# KiCad board jetson-orin-baseboard.kicad_pcb (continued)
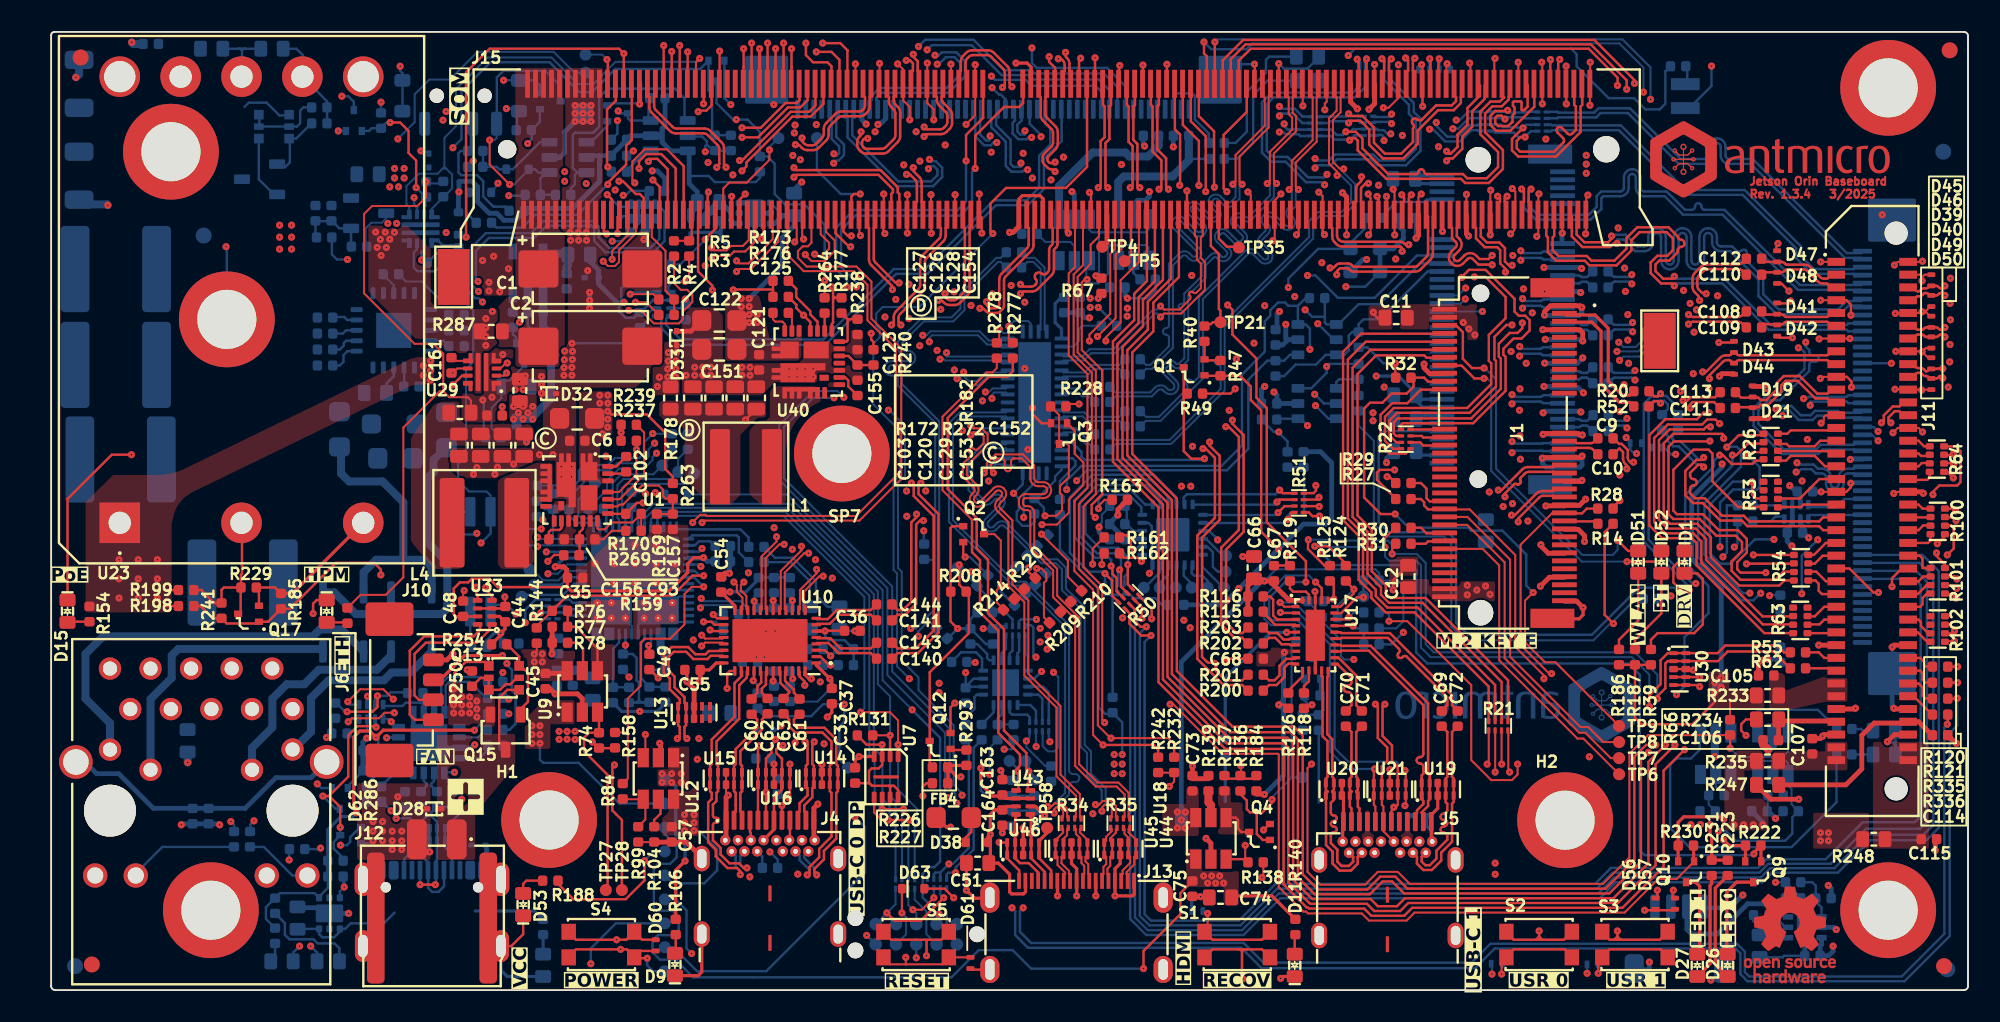
[diagram p0: board, top side]
## Routing (per net, layer and track width the routed paths; a pad name or vN(x,y) marks a point on that pad's centre or on a via; arc(x,y) is an arc through that point) (continued)
PCIE0_TX1_N: length 70.9
  Top w0.155: v1(58.14,42.69) 58.28,42.69 arc(58.34,42.68) 58.39,42.65 58.55,42.49 arc(58.65,42.42) 58.76,42.4 59.19,42.4 arc(59.3,42.42) 59.4,42.49 59.56,42.65 arc(59.63,42.75) 59.65,42.86 59.65,44.44 arc(59.68,44.58) 59.75,44.69 61.35,46.29 arc(61.46,46.45) 61.5,46.64 61.5,47.72 61.6,47.82
  In3.Cu w0.16: v1(99,41.22) 98.91,41.32 arc(98.86,41.35) 98.8,41.36 98.22,41.36 arc(98.09,41.34) 97.97,41.26 97.7,40.99 arc(97.63,40.88) 97.6,40.74 97.6,40.16 arc(97.56,39.96) 97.45,39.8 94.85,37.2 arc(94.78,37.09) 94.75,36.95 94.75,32.29 arc(94.78,32.15) 94.85,32.04 95.47,31.42 arc(95.58,31.26) 95.62,31.06 95.62,29.27 arc(95.58,29.07) 95.47,28.91 92.61,26.05 arc(92.45,25.94) 92.25,25.9 87.1,25.9 arc(86.9,25.94) 86.74,26.05 81.55,31.24 arc(81.44,31.4) 81.4,31.6 81.4,33.14 arc(81.37,33.28) 81.3,33.39 73.43,41.26 arc(73.32,41.33) 73.18,41.36 63.04,41.36 arc(62.84,41.4) 62.68,41.51 62.12,42.07 arc(62.01,42.14) 61.87,42.17 59.08,42.17 arc(58.88,42.21) 58.72,42.32 58.39,42.65 arc(58.34,42.68) 58.29,42.69 v1(58.14,42.69)
  Bottom w0.155: v1(99,41.22) 98.9,41.32 arc(98.85,41.36) 98.8,41.37 97.9,41.37 arc(97.84,41.36) 97.79,41.32 97.47,41
PCIE0_TX1_P: length 70.9
  Top w0.155: v1(58.56,43.11) 58.56,42.97 arc(58.57,42.91) 58.6,42.86 58.72,42.74 arc(58.77,42.71) 58.82,42.7 59.13,42.7 arc(59.18,42.71) 59.23,42.74 59.31,42.82 arc(59.34,42.87) 59.35,42.92 59.35,44.5 arc(59.39,44.7) 59.5,44.86 61.1,46.46 arc(61.17,46.57) 61.2,46.7 61.2,47.72 61.1,47.82
  In3.Cu w0.16: v1(58.56,43.11) 58.56,42.96 arc(58.57,42.91) 58.6,42.86 58.89,42.57 arc(59,42.5) 59.14,42.47 61.93,42.47 arc(62.13,42.43) 62.29,42.32 62.85,41.76 arc(62.96,41.69) 63.1,41.66 63.66,41.66 arc(63.84,41.73) 63.91,41.91 arc(63.98,42.09) 64.16,42.16 64.26,42.16 arc(64.44,42.09) 64.51,41.91 arc(64.58,41.73) 64.76,41.66 73.24,41.66 arc(73.44,41.62) 73.6,41.51 81.55,33.56 arc(81.66,33.4) 81.7,33.2 81.7,31.66 arc(81.73,31.52) 81.8,31.41 86.91,26.3 arc(87.02,26.23) 87.16,26.2 92.19,26.2 arc(92.33,26.23) 92.44,26.3 95.22,29.08 arc(95.29,29.19) 95.32,29.33 95.32,31 arc(95.29,31.14) 95.22,31.25 94.6,31.87 arc(94.49,32.03) 94.45,32.23 94.45,33.99 arc(94.4,34.11) 94.28,34.17 94.27,34.17 arc(94.15,34.22) 94.1,34.34 arc(94.15,34.46) 94.27,34.52 94.28,34.52 arc(94.4,34.57) 94.45,34.69 94.45,37.01 arc(94.49,37.21) 94.6,37.37 97.2,39.97 arc(97.27,40.08) 97.3,40.22 97.3,40.8 arc(97.34,41) 97.45,41.16 97.8,41.52 arc(97.97,41.62) 98.16,41.66 98.8,41.66 arc(98.86,41.67) 98.91,41.71 v1(99,41.8)
  Bottom w0.155: 97.47,42 97.77,41.7 arc(97.82,41.67) 97.87,41.66 98.8,41.66 arc(98.85,41.67) 98.9,41.7 v1(99,41.8)
PCIE0_TX2_N: length 74.6
  Top w0.155: 57.6,47.82 57.5,47.72 57.5,43.84 arc(57.46,43.65) 57.35,43.49 56.91,43.05 arc(56.75,42.94) 56.55,42.9 56.25,42.9 arc(56.05,42.94) 55.89,43.05 55.79,43.15 arc(55.74,43.18) 55.68,43.19 v1(55.54,43.19)
  In3.Cu w0.16: v1(99.15,38.2) 99.05,38.31 arc(99,38.34) 98.94,38.35 98.41,38.35 arc(98.27,38.32) 98.16,38.25 97.75,37.84 arc(97.68,37.73) 97.65,37.59 97.65,28.85 arc(97.61,28.65) 97.5,28.49 91.06,22.05 arc(90.9,21.94) 90.7,21.9 88,21.9 arc(87.8,21.94) 87.64,22.05 80,29.69 arc(79.89,29.85) 79.85,30.05 79.85,32.69 arc(79.82,32.83) 79.75,32.94 72.89,39.8 arc(72.78,39.87) 72.64,39.9 59.25,39.9 arc(59.05,39.94) 58.89,40.05 55.79,43.15 arc(55.74,43.18) 55.69,43.19 v1(55.54,43.19)
  Bottom w0.155: 97.47,38 97.78,38.31 arc(97.83,38.34) 97.88,38.35 98.94,38.35 arc(99,38.34) 99.05,38.31 v1(99.15,38.2)
PCIE0_TX2_P: length 74.6
  Top w0.155: v1(55.96,43.61) 55.96,43.47 arc(55.97,43.41) 56,43.36 56.06,43.3 arc(56.17,43.23) 56.31,43.2 56.49,43.2 arc(56.63,43.23) 56.74,43.3 57.1,43.66 arc(57.17,43.77) 57.2,43.9 57.2,47.72 57.1,47.82
  In3.Cu w0.16: v1(99.15,38.8) 99.05,38.69 arc(99,38.66) 98.94,38.65 98.35,38.65 arc(98.15,38.61) 97.99,38.5 97.5,38.01 arc(97.39,37.85) 97.35,37.65 97.35,28.91 arc(97.32,28.77) 97.25,28.66 90.89,22.3 arc(90.78,22.23) 90.64,22.2 88.06,22.2 arc(87.92,22.23) 87.81,22.3 86.47,23.65 arc(86.41,23.79) 86.47,23.93 86.64,24.11 arc(86.7,24.25) 86.64,24.39 arc(86.5,24.45) 86.36,24.39 86.18,24.21 arc(86.04,24.15) 85.9,24.21 80.25,29.86 arc(80.18,29.97) 80.15,30.11 80.15,32.75 arc(80.11,32.95) 80,33.11 73.06,40.05 arc(72.9,40.16) 72.7,40.2 59.31,40.2 arc(59.17,40.23) 59.06,40.3 56,43.36 arc(55.97,43.41) 55.96,43.46 v1(55.96,43.61)
  Bottom w0.155: v1(99.15,38.8) 99.05,38.69 arc(99,38.66) 98.94,38.65 97.88,38.65 arc(97.83,38.66) 97.78,38.69 97.47,39
PCIE0_TX3_N: length 81
  Top w0.155: 56.1,47.82 56,47.72 56,47.24 arc(55.96,47.05) 55.85,46.89 54.8,45.84 arc(54.73,45.73) 54.7,45.59 54.7,44.1 arc(54.66,43.9) 54.55,43.74 53.15,42.34 arc(53.08,42.23) 53.05,42.09 53.05,41.86 arc(53.06,41.8) 53.09,41.75 v1(53.19,41.65)
  In3.Cu w0.16: v1(98.65,35.2) 98.75,35.31 arc(98.8,35.34) 98.86,35.35 99.19,35.35 arc(99.33,35.32) 99.44,35.25 99.58,35.11 arc(99.64,34.97) 99.58,34.83 99.46,34.7 arc(99.4,34.56) 99.46,34.42 arc(99.6,34.36) 99.74,34.42 99.86,34.54 arc(100,34.6) 100.15,34.54 100.85,33.84 arc(100.92,33.73) 100.95,33.59 100.95,28.31 arc(100.92,28.17) 100.85,28.06 92.34,19.55 arc(92.23,19.48) 92.09,19.45 86.51,19.45 arc(86.37,19.48) 86.26,19.55 76.4,29.41 arc(76.33,29.52) 76.3,29.66 76.3,31.5 arc(76.26,31.7) 76.15,31.86 72.76,35.25 arc(72.6,35.36) 72.4,35.4 61.08,35.4 arc(60.89,35.48) 60.81,35.67 60.81,35.68 arc(60.73,35.87) 60.53,35.95 arc(60.34,35.87) 60.26,35.68 60.26,35.67 arc(60.18,35.48) 59.98,35.4 58.86,35.4 arc(58.72,35.43) 58.61,35.5 53.15,40.96 arc(53.08,41.07) 53.05,41.21 53.05,41.44 arc(53.06,41.5) 53.09,41.55 v1(53.19,41.65)
  Bottom w0.155: 97.48,35 97.79,35.31 arc(97.84,35.34) 97.9,35.35 98.44,35.35 arc(98.5,35.34) 98.55,35.31 v1(98.65,35.2)
PCIE0_TX3_P: length 81
  Top w0.155: 55.6,47.82 55.7,47.72 55.7,47.3 arc(55.67,47.17) 55.6,47.06 54.55,46.01 arc(54.44,45.85) 54.4,45.65 54.4,44.16 arc(54.37,44.02) 54.3,43.91 52.9,42.51 arc(52.79,42.35) 52.75,42.15 52.75,41.86 arc(52.74,41.8) 52.71,41.75 v1(52.61,41.65)
  In3.Cu w0.16: v1(52.61,41.65) 52.71,41.55 arc(52.74,41.5) 52.75,41.44 52.75,41.15 arc(52.79,40.95) 52.9,40.79 58.44,35.25 arc(58.6,35.14) 58.8,35.1 72.34,35.1 arc(72.48,35.07) 72.59,35 75.9,31.69 arc(75.97,31.58) 76,31.44 76,29.6 arc(76.04,29.4) 76.15,29.24 86.09,19.3 arc(86.25,19.19) 86.45,19.15 92.15,19.15 arc(92.35,19.19) 92.51,19.3 101.1,27.89 arc(101.21,28.05) 101.25,28.25 101.25,33.65 arc(101.21,33.85) 101.1,34.01 99.61,35.5 arc(99.45,35.61) 99.25,35.65 98.86,35.65 arc(98.8,35.66) 98.75,35.69 v1(98.65,35.8)
  Bottom w0.155: v1(98.65,35.8) 98.55,35.69 arc(98.5,35.66) 98.44,35.65 97.9,35.65 arc(97.84,35.66) 97.79,35.69 97.48,36
PCIE1_CLK_N: length 70.9
  Top w0.155: v1(46.59,52.94) 46.73,52.94 arc(46.79,52.93) 46.84,52.9 46.99,52.75 arc(47.15,52.64) 47.35,52.6 47.7,52.6 arc(47.9,52.64) 48.06,52.75 48.52,53.21 arc(48.63,53.37) 48.67,53.57 48.67,53.87 arc(48.7,54.01) 48.77,54.12 49.27,54.62 arc(49.38,54.69) 49.52,54.72 50.63,54.72 arc(50.83,54.76) 50.99,54.87 51.1,54.98 arc(51.21,55.14) 51.25,55.33 51.25,55.92 51.35,56.02 ; 94.75,30.85 94.12,30.85 94.02,30.95 93.41,30.95 arc(93.27,30.92) 93.16,30.85 91.84,29.53 v1(91.84,29.32)
  In3.Cu w0.16: v1(91.84,29.32) 91.63,29.32 91.21,28.9 arc(91.05,28.79) 90.85,28.75 87.95,28.75 arc(87.75,28.79) 87.59,28.9 84.7,31.79 arc(84.59,31.95) 84.55,32.15 84.55,35.29 arc(84.52,35.43) 84.45,35.54 74.84,45.15 arc(74.73,45.22) 74.59,45.25 50.05,45.25 arc(49.85,45.29) 49.69,45.4 47.65,47.44 arc(47.54,47.6) 47.5,47.8 47.5,52.09 arc(47.47,52.23) 47.4,52.34 46.84,52.9 arc(46.79,52.93) 46.74,52.94 v1(46.59,52.94)
PCIE1_CLK_P: length 70.4
  Top w0.155: v1(47.01,53.36) 47.01,53.22 arc(47.02,53.16) 47.05,53.11 47.16,53 arc(47.27,52.93) 47.41,52.9 47.64,52.9 arc(47.78,52.93) 47.89,53 48.27,53.38 arc(48.34,53.49) 48.37,53.63 48.37,53.93 arc(48.41,54.13) 48.52,54.29 49.1,54.87 arc(49.26,54.98) 49.46,55.02 50.57,55.02 arc(50.71,55.05) 50.82,55.12 50.85,55.15 arc(50.92,55.26) 50.95,55.39 50.95,55.92 50.85,56.02 ; 94.75,31.35 94.12,31.35 94.02,31.25 93.35,31.25 arc(93.15,31.21) 92.99,31.1 91.63,29.74 v1(91.42,29.74)
  In3.Cu w0.16: v1(91.42,29.74) 91.42,29.53 91.08,29.2 arc(90.92,29.09) 90.73,29.05 88.01,29.05 arc(87.87,29.08) 87.76,29.15 84.95,31.96 arc(84.88,32.07) 84.85,32.21 84.85,35.35 arc(84.81,35.55) 84.7,35.71 75.01,45.4 arc(74.85,45.51) 74.65,45.55 50.17,45.55 arc(49.98,45.59) 49.82,45.7 48.72,46.79 arc(48.66,46.93) 48.72,47.07 48.74,47.09 arc(48.8,47.24) 48.74,47.38 arc(48.6,47.44) 48.46,47.38 48.44,47.36 arc(48.3,47.3) 48.16,47.36 47.95,47.57 arc(47.84,47.73) 47.8,47.92 47.8,52.15 arc(47.76,52.35) 47.65,52.51 47.05,53.11 arc(47.02,53.16) 47.01,53.21 v1(47.01,53.36)
PCIE1_CLKREQ*: length 83.6
  Top w0.125: v1(93.93,19.82) 93.78,19.82 91.99,21.61 91.99,27.89 93.95,29.85 94.75,29.85
  Top w0.15: 49.1,48.54 49.1,47.4 49.95,46.55 v1(50.05,46.55) ; 94.75,29.85 95.83,29.85 96.13,30.15 R28.2
  In5.Cu w0.125: v1(50.05,46.55) 50.5,46.1 62.35,46.1 63.1,45.35 63.1,31.23 63.89,30.44 63.89,25.53 69.92,19.5 92.8,19.5 93.25,19.95 93.8,19.95 v1(93.93,19.82)
PCIE1_RST*: length 103.4
  Top w0.125: v1(93.45,19.5) 93.45,19.7 91.66,21.5 91.66,27.25 88.8,30.1 87.25,30.1
  Top w0.15: v1(47.25,59.3) 47.25,58.55 47.7,58.1 48.6,58.1 48.85,57.85 48.85,56.74 ; 87.25,30.1 86.2,30.1 85.95,30.35 85.95,30.55 85.75,30.75 85.33,30.75
  In5.Cu w0.125: v1(93.45,19.5) 93.15,19.2 69.75,19.2 63.64,25.31 63.64,30.31 62.85,31.1 62.85,45.24 62.24,45.85 50.05,45.85 49.55,46.35 49.55,48.55 48.65,49.45 46.35,49.45 45.38,50.42 45.38,52.78 45.35,52.81 45.35,54.6 46,55.25 46,57.1 47.15,58.25 47.15,59.2 v1(47.25,59.3)
PCIE1_RX0_N: length 68.9
  Top w0.155: v1(91.01,30.89) 91.01,31.1 91.59,31.68 arc(91.67,31.71) 91.75,31.68 arc(91.82,31.65) 91.9,31.68 91.98,31.76 arc(92.01,31.84) 91.98,31.91 arc(91.95,31.99) 91.98,32.07 92.26,32.35 arc(92.37,32.42) 92.51,32.45 94.02,32.45 94.12,32.35 94.75,32.35 ; 52.85,56.02 52.75,55.92 52.75,55.71 arc(52.77,55.58) 52.85,55.46 53,55.31 arc(53.11,55.15) 53.15,54.95 53.15,53.47 arc(53.11,53.27) 53,53.11 52.42,52.53 arc(52.26,52.42) 52.06,52.38 51.03,52.38 arc(50.83,52.42) 50.67,52.53 50.61,52.59 arc(50.5,52.75) 50.46,52.95 50.46,53.09 arc(50.5,53.29) 50.61,53.45 50.66,53.5 arc(50.69,53.55) 50.7,53.6 v1(50.7,53.75)
  In3.Cu w0.16: v1(50.7,53.75) 50.7,53.6 arc(50.69,53.55) 50.66,53.5 49.57,52.41 arc(49.46,52.25) 49.42,52.05 49.42,49.33 arc(49.46,49.13) 49.57,48.97 51.74,46.8 arc(51.9,46.69) 52.1,46.65 75.39,46.65 arc(75.53,46.62) 75.64,46.55 85.95,36.24 arc(86.02,36.13) 86.05,35.99 86.05,32.55 arc(86.09,32.35) 86.2,32.19 88.14,30.25 arc(88.3,30.14) 88.5,30.1 89.8,30.1 arc(90,30.14) 90.16,30.25 90.76,30.85 arc(90.81,30.88) 90.86,30.89 v1(91.01,30.89)
PCIE1_RX0_P: length 68.8
  Top w0.155: 52.35,56.02 52.45,55.92 52.45,55.65 arc(52.49,55.46) 52.59,55.29 52.75,55.14 arc(52.82,55.03) 52.85,54.89 52.85,53.53 arc(52.82,53.39) 52.75,53.28 52.25,52.78 arc(52.14,52.71) 52,52.68 51,52.68 arc(50.95,52.69) 50.9,52.72 50.86,52.76 arc(50.79,52.87) 50.76,53.01 50.76,53.03 arc(50.79,53.17) 50.86,53.28 50.87,53.29 arc(50.92,53.32) 50.97,53.33 v1(51.12,53.33) ; 94.75,32.85 94.12,32.85 94.02,32.75 92.45,32.75 arc(92.25,32.71) 92.09,32.6 90.8,31.31 v1(90.59,31.31)
  In3.Cu w0.16: v1(51.12,53.33) 50.97,53.33 arc(50.92,53.32) 50.87,53.29 49.82,52.24 arc(49.75,52.13) 49.72,51.99 49.72,51.81 arc(49.79,51.64) 49.96,51.57 arc(50.13,51.5) 50.2,51.33 50.2,51.21 arc(50.13,51.04) 49.96,50.97 arc(49.79,50.9) 49.72,50.73 49.72,50.61 arc(49.78,50.46) 49.93,50.39 arc(50.09,50.33) 50.15,50.18 50.15,50.01 arc(50.09,49.86) 49.93,49.79 arc(49.78,49.73) 49.72,49.58 49.72,49.39 arc(49.75,49.25) 49.82,49.14 51.91,47.05 arc(52.02,46.98) 52.16,46.95 75.45,46.95 arc(75.65,46.91) 75.81,46.8 86.2,36.41 arc(86.31,36.25) 86.35,36.05 86.35,32.61 arc(86.38,32.47) 86.45,32.36 86.66,32.15 arc(86.85,32.07) 87.05,32.15 87.19,32.29 arc(87.39,32.37) 87.58,32.29 arc(87.66,32.1) 87.58,31.9 87.44,31.76 arc(87.36,31.57) 87.44,31.37 88.31,30.5 arc(88.42,30.43) 88.56,30.4 89.74,30.4 arc(89.88,30.43) 89.99,30.5 90.55,31.06 arc(90.58,31.11) 90.59,31.16 v1(90.59,31.31)
PCIE1_TX0_N: length 73.3
  Top w0.155: v1(53.08,44.28) 52.94,44.28 arc(52.88,44.29) 52.83,44.33 51.6,45.56 arc(51.52,45.68) 51.5,45.81 51.5,47.72 51.6,47.82 ; v1(98.64,32.64) 98.64,32.85 98.55,32.94 arc(98.44,33.1) 98.4,33.3 98.4,33.7 98.2,33.9 98.16,33.9 97.81,33.55 C10.1
  In3.Cu w0.16: v1(98.64,32.64) 98.85,32.64 99.45,32.04 arc(99.52,31.93) 99.55,31.79 99.55,30.67 arc(99.49,30.53) 99.35,30.47 99.14,30.47 arc(99,30.41) 98.94,30.27 arc(99,30.13) 99.14,30.07 99.35,30.07 arc(99.49,30.01) 99.55,29.87 99.55,28.91 arc(99.52,28.77) 99.45,28.66 91.79,21 arc(91.68,20.93) 91.54,20.9 87.36,20.9 arc(87.22,20.93) 87.11,21 78.75,29.36 arc(78.68,29.47) 78.65,29.61 78.65,32.25 arc(78.61,32.45) 78.5,32.61 73.36,37.75 arc(73.2,37.86) 73,37.9 66.16,37.9 arc(65.98,37.97) 65.91,38.15 arc(65.84,38.33) 65.66,38.4 arc(65.48,38.33) 65.41,38.15 arc(65.34,37.97) 65.16,37.9 59.41,37.9 arc(59.27,37.93) 59.16,38 53.13,44.03 arc(53.09,44.08) 53.08,44.14 v1(53.08,44.28)
PCIE1_TX0_P: length 73.3
  Top w0.155: C9.1 97.81,34.55 98.16,34.2 98.32,34.2 98.7,33.82 98.7,33.36 arc(98.73,33.22) 98.8,33.11 98.85,33.06 v1(99.06,33.06) ; v1(52.67,43.87) 52.67,44.01 arc(52.66,44.07) 52.62,44.12 51.34,45.39 arc(51.24,45.56) 51.2,45.75 51.2,47.72 51.1,47.82
  In3.Cu w0.16: v1(52.67,43.87) 52.81,43.87 arc(52.87,43.86) 52.92,43.82 58.99,37.75 arc(59.15,37.64) 59.35,37.6 72.94,37.6 arc(73.08,37.57) 73.19,37.5 78.25,32.44 arc(78.32,32.33) 78.35,32.19 78.35,29.55 arc(78.39,29.35) 78.5,29.19 86.94,20.75 arc(87.1,20.64) 87.3,20.6 91.6,20.6 arc(91.8,20.64) 91.96,20.75 99.7,28.49 arc(99.81,28.65) 99.85,28.85 99.85,31.85 arc(99.81,32.05) 99.7,32.21 99.06,32.85 v1(99.06,33.06)
PCIE2_CLK_N: length 53.9
  Top w0.155: 105.45,39.9 105.56,39.79 arc(105.61,39.76) 105.66,39.75 111.14,39.75 arc(111.19,39.76) 111.24,39.79 111.45,40 J11.15 ; v1(83.59,49.7) 83.6,49.7 83.6,48.54 ; v1(103.39,38.71) 103.6,38.71 104.49,39.6 arc(104.65,39.71) 104.85,39.75 105.04,39.75 arc(105.09,39.76) 105.14,39.79 105.25,39.9
  In5.Cu w0.16: v1(103.39,38.71) 103.39,38.5 103.05,38.16 103.05,34.26 99.01,30.22 94.46,30.22 92.89,28.65 90.56,28.65 89.89,29.32 arc(89.82,29.48) 89.89,29.64 89.89,29.65 arc(89.96,29.81) 89.89,29.97 arc(89.73,30.03) 89.57,29.97 89.57,29.96 arc(89.41,29.89) 89.25,29.96 87.95,31.26 87.95,36.56 84.1,40.41 84.1,42.46 83.45,43.11 83.45,49.56 v1(83.59,49.7)
PCIE2_CLK_P: length 53.9
  Top w0.155: 105.45,39.3 105.56,39.41 arc(105.61,39.44) 105.66,39.45 111.14,39.45 arc(111.19,39.44) 111.24,39.41 111.45,39.2 111.75,39.2 ; 105.25,39.3 105.14,39.41 arc(105.09,39.44) 105.04,39.45 104.91,39.45 arc(104.77,39.42) 104.66,39.35 103.81,38.5 v1(103.81,38.29) ; 83.1,48.54 83.1,49.55 arc(83.09,49.6) 83.05,49.65 v1(83.01,49.7)
  In5.Cu w0.16: v1(83.01,49.7) 83.15,49.56 83.15,42.99 83.8,42.34 83.8,40.29 87.65,36.44 87.65,31.14 90.44,28.35 93.01,28.35 94.58,29.92 99.13,29.92 103.35,34.14 103.35,38.04 103.6,38.29 v1(103.81,38.29)
PCIE2_CLKREQ*: length 120.3
  Top w0.15: 107.2,34.22 106.22,34.22 105.5,33.5 v1(105.25,33.5) ; v1(39.35,59.15) 39.35,57.87 39.35,57.87 39.35,56.74
  In5.Cu w0.125: v1(107.02,24.85) 106.99,24.85 106.51,24.37 105.98,24.37 103.81,22.2 97.39,22.2 93.79,18.6 69.47,18.6 63.14,24.93 63.14,30.09 62.35,30.88 62.35,44.65 61.75,45.25 49.85,45.25 48.95,46.15 48.95,48.35 48.41,48.89 46.11,48.89 44.25,50.75 44.25,55.6 42.35,57.5 39.5,57.5 39.35,57.65 v1(39.35,59.15)
  Bottom w0.15: v1(107.02,24.85) 107,24.85 106.55,24.4 105.81,24.4 103.1,27.11 103.1,30.7 105.25,32.85 v1(105.25,33.5)
PCIE2_RST*: length 118.1
  Top w0.15: 107.2,34.75 105.65,34.75 v1(104.9,34) ; v1(39.85,58.75) 39.85,57.8 39.85,57.8 39.85,56.74
  In5.Cu w0.125: v1(39.85,58.75) 39.85,58.1 40.15,57.8 42.58,57.8 44.54,55.84 44.54,50.91 46.28,49.17 48.53,49.17 49.25,48.45 49.25,46.25 49.95,45.55 62.05,45.55 62.6,45 62.6,31 63.39,30.21 63.39,25.11 69.6,18.9 93.66,18.9 97.28,22.52 103.61,22.52 105.95,24.86 v1(106.34,24.86)
  Bottom w0.15: v1(104.9,34) 104.92,34.02 105.53,34.02 105.78,33.77 105.78,32.77 103.5,30.49 103.5,27.27 105.91,24.86 v1(106.34,24.86)
PCIE2_RX0_N: length 76.7
  Top w0.155: v1(80.48,44.8) 80.48,44.95 arc(80.49,45) 80.52,45.05 80.63,45.16 arc(80.68,45.19) 80.73,45.2 81.14,45.2 arc(81.19,45.19) 81.24,45.16 81.32,45.08 arc(81.42,45.01) 81.53,44.99 85.38,44.99 arc(85.58,45.03) 85.74,45.14 86.35,45.75 arc(86.46,45.91) 86.5,46.1 86.5,48.44 86.6,48.54 ; 116.55,41.6 116.76,41.39 arc(116.81,41.36) 116.86,41.35 117.11,41.35 arc(117.17,41.36) 117.22,41.39 117.28,41.46 arc(117.33,41.49) 117.39,41.5 118.01,41.5 arc(118.07,41.49) 118.12,41.46 118.18,41.39 arc(118.23,41.36) 118.29,41.35 118.34,41.35 arc(118.4,41.36) 118.45,41.39 v1(118.55,41.5)
  In5.Cu w0.16: v1(118.55,41.5) 118.4,41.35 118.17,41.35 117.65,40.83 117.65,34.51 114.33,31.19 111.79,31.19 109.75,29.15 106.41,29.15 105.06,30.5 103.54,30.5 102.75,29.71 102.75,28.81 101.6,27.66 95.52,27.66 93.91,26.05 89.56,26.05 85.35,30.26 85.35,33.26 84.61,34 83.06,34 81.25,35.81 81.25,40.26 80.91,40.6 arc(80.85,40.74) 80.91,40.88 80.92,40.9 arc(80.98,41.04) 80.92,41.18 arc(80.78,41.24) 80.64,41.18 80.63,41.17 arc(80.49,41.11) 80.35,41.17 80.25,41.26 80.25,43.33 80.1,43.48 80.1,44.63 80.27,44.8 v1(80.48,44.8)
PCIE2_RX0_P: length 76.7
  Top w0.155: v1(80.06,45.22) 80.21,45.22 arc(80.26,45.23) 80.31,45.26 80.46,45.41 arc(80.56,45.48) 80.67,45.5 81.2,45.5 arc(81.31,45.48) 81.41,45.41 81.49,45.33 arc(81.54,45.3) 81.59,45.29 85.32,45.29 arc(85.46,45.32) 85.57,45.39 86.1,45.92 arc(86.17,46.03) 86.2,46.16 86.2,48.44 86.1,48.54 ; v1(118.55,40.9) 118.45,41.01 arc(118.4,41.04) 118.34,41.05 118.29,41.05 arc(118.23,41.04) 118.18,41.01 118.12,40.94 arc(118.07,40.91) 118.01,40.9 117.39,40.9 arc(117.33,40.91) 117.28,40.94 117.22,41.01 arc(117.17,41.04) 117.11,41.05 116.86,41.05 arc(116.81,41.04) 116.76,41.01 116.55,40.8
  In5.Cu w0.16: v1(80.06,45.22) 80.06,45.01 79.8,44.75 79.8,43.36 79.95,43.21 79.95,41.14 80.95,40.14 80.95,35.69 82.94,33.7 84.49,33.7 85.05,33.14 85.05,30.14 89.44,25.75 94.03,25.75 95.64,27.36 101.72,27.36 103.05,28.69 103.05,29.59 103.66,30.2 104.94,30.2 106.29,28.85 109.87,28.85 111.91,30.89 114.45,30.89 117.95,34.39 117.95,40.71 118.29,41.05 118.4,41.05 v1(118.55,40.9)
PCIE2_RX1_N: length 73.3
  Top w0.155: 116.55,44 116.76,43.79 arc(116.81,43.76) 116.86,43.75 116.88,43.75 arc(116.93,43.76) 116.98,43.79 117.05,43.86 arc(117.15,43.93) 117.26,43.95 117.39,43.95 arc(117.44,43.96) 117.49,43.99 117.6,44.1 ; v1(118.55,44.1) 118.45,43.99 arc(118.4,43.96) 118.34,43.95 118.29,43.95 arc(118.23,43.96) 118.18,43.99 118.12,44.06 arc(118.07,44.09) 118.01,44.1 117.7,44.1 ; 82.1,49.27 82,49.37 82,50.16 arc(82.01,50.22) 82.04,50.27 82.25,50.48 arc(82.3,50.51) 82.35,50.52 v1(82.46,50.52)
  In5.Cu w0.16: v1(82.46,50.52) 82.16,50.52 81.86,50.22 81.86,42.75 82.55,42.06 82.55,40.01 86.65,35.91 86.65,30.76 90.06,27.35 93.39,27.35 94.98,28.94 101.08,28.94 101.45,29.31 101.45,30.21 103.04,31.8 103.99,31.8 arc(104.17,31.87) 104.24,32.05 104.24,32.23 arc(104.31,32.41) 104.49,32.48 arc(104.67,32.41) 104.74,32.23 104.74,32.05 arc(104.81,31.87) 104.99,31.8 105.66,31.8 106.46,31 109.34,31 110.95,32.61 113.97,32.61 116.18,34.82 116.18,43.27 116.86,43.95 118.4,43.95 v1(118.55,44.1)
PCIE2_RX1_P: length 73.3
  Top w0.155: 117.7,43.5 118.01,43.5 arc(118.07,43.51) 118.12,43.54 118.18,43.61 arc(118.23,43.64) 118.29,43.65 118.34,43.65 arc(118.4,43.64) 118.45,43.61 v1(118.55,43.5) ; 117.6,43.5 117.49,43.61 arc(117.44,43.64) 117.39,43.65 117.26,43.65 117.15,43.54 arc(117.05,43.47) 116.94,43.45 116.86,43.45 arc(116.81,43.44) 116.76,43.41 116.55,43.2 ; v1(82.03,50.93) 82.03,50.74 arc(82.02,50.69) 81.99,50.64 81.79,50.44 arc(81.72,50.34) 81.7,50.22 81.7,49.37 81.6,49.27
  In5.Cu w0.16: v1(118.55,43.5) 118.4,43.65 116.99,43.65 116.48,43.14 116.48,34.7 114.09,32.31 111.07,32.31 109.46,30.7 106.34,30.7 105.54,31.5 103.16,31.5 101.75,30.09 101.75,29.19 101.2,28.64 95.1,28.64 93.51,27.05 89.94,27.05 86.35,30.64 86.35,35.79 82.25,39.89 82.25,41.94 81.56,42.63 81.56,50.34 82.03,50.81 v1(82.03,50.93)
PCIE2_TX0_N: length 42.3
  Top w0.155: v1(102.5,42.3) 102.54,42.25 arc(102.66,42.18) 102.79,42.15 105.56,42.15 arc(105.75,42.19) 105.91,42.3 106.12,42.5 ; v1(85.14,49.8) 85.04,49.7 arc(85.01,49.65) 85,49.59 85,49.37 85.1,49.27
  In5.Cu w0.16: v1(85.14,49.8) 85,49.65 85,48.56 87.34,46.22 87.34,43.67 88.31,42.7 88.61,42.7 90.5,40.81 90.5,39.09 arc(90.56,38.95) 90.7,38.89 90.72,38.89 arc(90.86,38.83) 90.92,38.69 arc(90.86,38.55) 90.72,38.49 90.7,38.49 arc(90.56,38.43) 90.5,38.29 90.5,36.06 90.91,35.65 92.03,35.65 92.74,34.94 92.74,33.22 93.08,32.88 97.5,32.88 99.95,35.33 99.95,40.26 101.84,42.15 102.35,42.15 v1(102.5,42.3)
PCIE2_TX0_P: length 42.3
  Top w0.155: v1(84.55,49.8) 84.65,49.7 arc(84.69,49.65) 84.7,49.59 84.7,49.37 84.6,49.27 ; v1(102.5,41.7) 102.54,41.75 arc(102.66,41.82) 102.79,41.85 105.56,41.85 arc(105.75,41.81) 105.91,41.7 106.12,41.5
  In5.Cu w0.16: v1(84.55,49.8) 84.7,49.65 84.7,48.44 87.04,46.1 87.04,43.55 88.19,42.4 88.49,42.4 90.2,40.69 90.2,35.94 90.79,35.35 91.91,35.35 92.44,34.82 92.44,33.1 92.96,32.58 97.62,32.58 100.25,35.21 100.25,40.14 101.96,41.85 102.35,41.85 v1(102.5,41.7)
PCIE2_TX1_N: length 50.8
  Top w0.155: v1(84.99,46.68) 84.85,46.68 arc(84.79,46.69) 84.74,46.72 84.69,46.77 arc(84.59,46.84) 84.48,46.86 80.89,46.86 arc(80.75,46.89) 80.64,46.96 80.6,47 arc(80.52,47.12) 80.5,47.25 80.5,47.72 80.6,47.82 ; v1(103.19,43.19) 103.19,43.25 arc(103.17,43.39) 103.09,43.5 102.9,43.69 arc(102.79,43.85) 102.75,44.05 102.75,44.55 arc(102.79,44.75) 102.9,44.91 103.29,45.3 arc(103.45,45.41) 103.65,45.45 105.62,45.45 arc(105.75,45.48) 105.87,45.55 106.12,45.8
  In5.Cu w0.16: v1(103.19,43.19) 103.4,43.19 103.55,43.04 103.55,40.96 103.24,40.65 102.14,40.65 101.25,39.76 101.25,34.26 98.48,31.49 91.67,31.49 90.47,32.69 arc(90.41,32.84) 90.47,32.98 90.48,32.99 arc(90.54,33.13) 90.48,33.27 arc(90.34,33.33) 90.2,33.27 90.18,33.26 arc(90.04,33.2) 89.9,33.26 89.22,33.94 89.22,39.69 86.05,42.86 86.05,45.41 84.99,46.47 v1(84.99,46.68)
PCIE2_TX1_P: length 50.8
  Top w0.155: 106.12,44.8 105.87,45.05 arc(105.75,45.12) 105.62,45.15 103.71,45.15 arc(103.57,45.12) 103.46,45.05 103.15,44.74 arc(103.08,44.63) 103.05,44.49 103.05,44.11 arc(103.08,43.97) 103.15,43.86 103.3,43.71 arc(103.41,43.63) 103.55,43.61 v1(103.61,43.61) ; 80.1,47.82 80.2,47.72 80.2,47.19 arc(80.24,47) 80.34,46.83 80.47,46.71 arc(80.63,46.6) 80.83,46.56 84.42,46.56 arc(84.47,46.55) 84.52,46.52 84.53,46.51 arc(84.56,46.46) 84.57,46.4 v1(84.57,46.26)
  In5.Cu w0.16: v1(103.61,43.61) 103.61,43.4 103.85,43.16 103.85,40.84 103.36,40.35 102.26,40.35 101.55,39.64 101.55,34.14 98.6,31.19 91.55,31.19 88.93,33.81 88.93,39.56 85.75,42.74 85.75,45.29 84.78,46.26 v1(84.57,46.26)
PCIE3_CLK_N: length 127.9
  Top w0.155: 37.85,56.74 37.85,56.02 37.75,55.92 37.75,55.36 arc(37.77,55.23) 37.85,55.11 38.91,54.05 arc(39.02,53.98) 39.16,53.95 40.9,53.95 arc(41.1,53.91) 41.26,53.8 41.98,53.08 arc(42.09,52.92) 42.12,52.73 42.12,51.71 arc(42.14,51.65) 42.17,51.6 v1(42.25,51.53) ; v1(118.42,38.92) 118.1,38.92 118.08,38.9 117.7,38.9 ; 117.6,38.9 117.49,38.79 arc(117.44,38.76) 117.39,38.75 117.36,38.75 117.25,38.86 arc(117.15,38.93) 117.04,38.95 116.86,38.95 arc(116.81,38.96) 116.76,38.99 116.55,39.2
  In3.Cu w0.16: v1(42.25,51.53) 42.17,51.45 arc(42.14,51.4) 42.12,51.34 42.12,42.13 arc(42.15,42) 42.23,41.88 43.01,41.1 arc(43.12,41.03) 43.26,41 44.72,41 arc(44.83,40.98) 44.92,40.92 45.34,40.5 arc(45.42,40.37) 45.45,40.23 45.45,32.49 arc(45.48,32.33) 45.57,32.19 47.01,30.75 arc(47.9,30.16) 48.94,29.95 49.88,29.95 arc(50.23,29.88) 50.53,29.68 51.24,28.97 arc(51.43,28.89) 51.61,28.97 arc(51.79,29.04) 51.97,28.97 52.03,28.91 arc(52.11,28.73) 52.03,28.54 arc(51.96,28.36) 52.03,28.18 52.23,27.98 arc(52.32,27.92) 52.42,27.9 57.99,27.9 arc(58.13,27.93) 58.24,28 63.72,33.48 arc(63.88,33.59) 64.08,33.63 70.92,33.63 arc(71.12,33.59) 71.28,33.48 74.1,30.66 arc(74.21,30.5) 74.25,30.3 74.25,29.46 arc(74.28,29.32) 74.35,29.21 77.8,25.76 arc(77.91,25.6) 77.95,25.4 77.95,25.11 arc(77.98,24.97) 78.05,24.86 81.31,21.6 arc(81.42,21.53) 81.56,21.5 82,21.5 arc(82.2,21.46) 82.36,21.35 85.61,18.1 arc(85.72,18.03) 85.86,18 93.32,18 arc(93.45,18.03) 93.57,18.1 105.97,30.5 arc(106.13,30.61) 106.32,30.65 113.69,30.65 arc(113.83,30.68) 113.94,30.75 117.65,34.46 arc(117.72,34.57) 117.75,34.71 117.75,37.48 arc(117.74,37.53) 117.71,37.58 117.64,37.65 arc(117.57,37.75) 117.55,37.86 117.55,38.34 arc(117.57,38.45) 117.64,38.55 117.75,38.66 arc(117.85,38.73) 117.96,38.75 118.19,38.75 arc(118.24,38.76) 118.29,38.79 v1(118.42,38.92)
PCIE3_CLK_P: length 127.9
  Top w0.155: 37.35,56.74 37.35,56.02 37.45,55.92 37.45,55.3 arc(37.49,55.11) 37.59,54.94 38.74,53.8 arc(38.9,53.69) 39.1,53.65 40.84,53.65 arc(40.98,53.62) 41.09,53.55 41.72,52.92 arc(41.8,52.8) 41.83,52.67 41.83,51.74 arc(41.81,51.68) 41.78,51.63 v1(41.67,51.52) ; v1(118.42,38.32) 118.33,38.41 arc(118.28,38.44) 118.23,38.45 118.23,38.45 118.12,38.34 arc(118.07,38.31) 118.01,38.3 117.7,38.3 ; 116.55,38.4 116.76,38.61 arc(116.81,38.64) 116.86,38.65 116.98,38.65 arc(117.03,38.64) 117.08,38.61 117.15,38.54 arc(117.25,38.47) 117.36,38.45 117.39,38.45 arc(117.44,38.44) 117.49,38.41 117.6,38.3
  In3.Cu w0.16: v1(118.42,38.32) 118.33,38.41 arc(118.28,38.44) 118.23,38.45 118.02,38.45 arc(117.97,38.44) 117.92,38.41 117.89,38.38 arc(117.86,38.33) 117.85,38.28 117.85,37.92 arc(117.86,37.87) 117.89,37.82 117.96,37.75 arc(118.03,37.65) 118.05,37.54 118.05,34.65 arc(118.01,34.45) 117.9,34.29 114.11,30.5 arc(113.95,30.39) 113.75,30.35 106.38,30.35 arc(106.25,30.32) 106.13,30.25 93.73,17.85 arc(93.57,17.74) 93.38,17.7 85.8,17.7 arc(85.6,17.74) 85.44,17.85 82.19,21.1 arc(82.08,21.17) 81.94,21.2 81.5,21.2 arc(81.3,21.24) 81.14,21.35 77.8,24.69 arc(77.69,24.85) 77.65,25.05 77.65,25.34 arc(77.62,25.48) 77.55,25.59 74.1,29.04 arc(73.99,29.2) 73.95,29.4 73.95,30.24 arc(73.92,30.38) 73.85,30.49 71.11,33.23 arc(71,33.3) 70.86,33.33 64.14,33.33 arc(64,33.3) 63.89,33.23 58.41,27.75 arc(58.25,27.64) 58.05,27.6 52.38,27.6 arc(52.2,27.64) 52.05,27.74 50.35,29.44 arc(50.12,29.6) 49.84,29.65 48.91,29.65 arc(47.78,29.87) 46.83,30.51 45.33,32.01 arc(45.2,32.21) 45.15,32.44 45.15,40.22 arc(45.14,40.26) 45.12,40.29 44.74,40.67 arc(44.71,40.69) 44.67,40.7 43.2,40.7 arc(43,40.74) 42.84,40.85 41.97,41.72 arc(41.86,41.88) 41.83,42.07 41.83,51.3 arc(41.81,51.36) 41.78,51.41 v1(41.67,51.52)